# Altium PCB AL1000.PcbDoc (part 7 of 8) (continued)
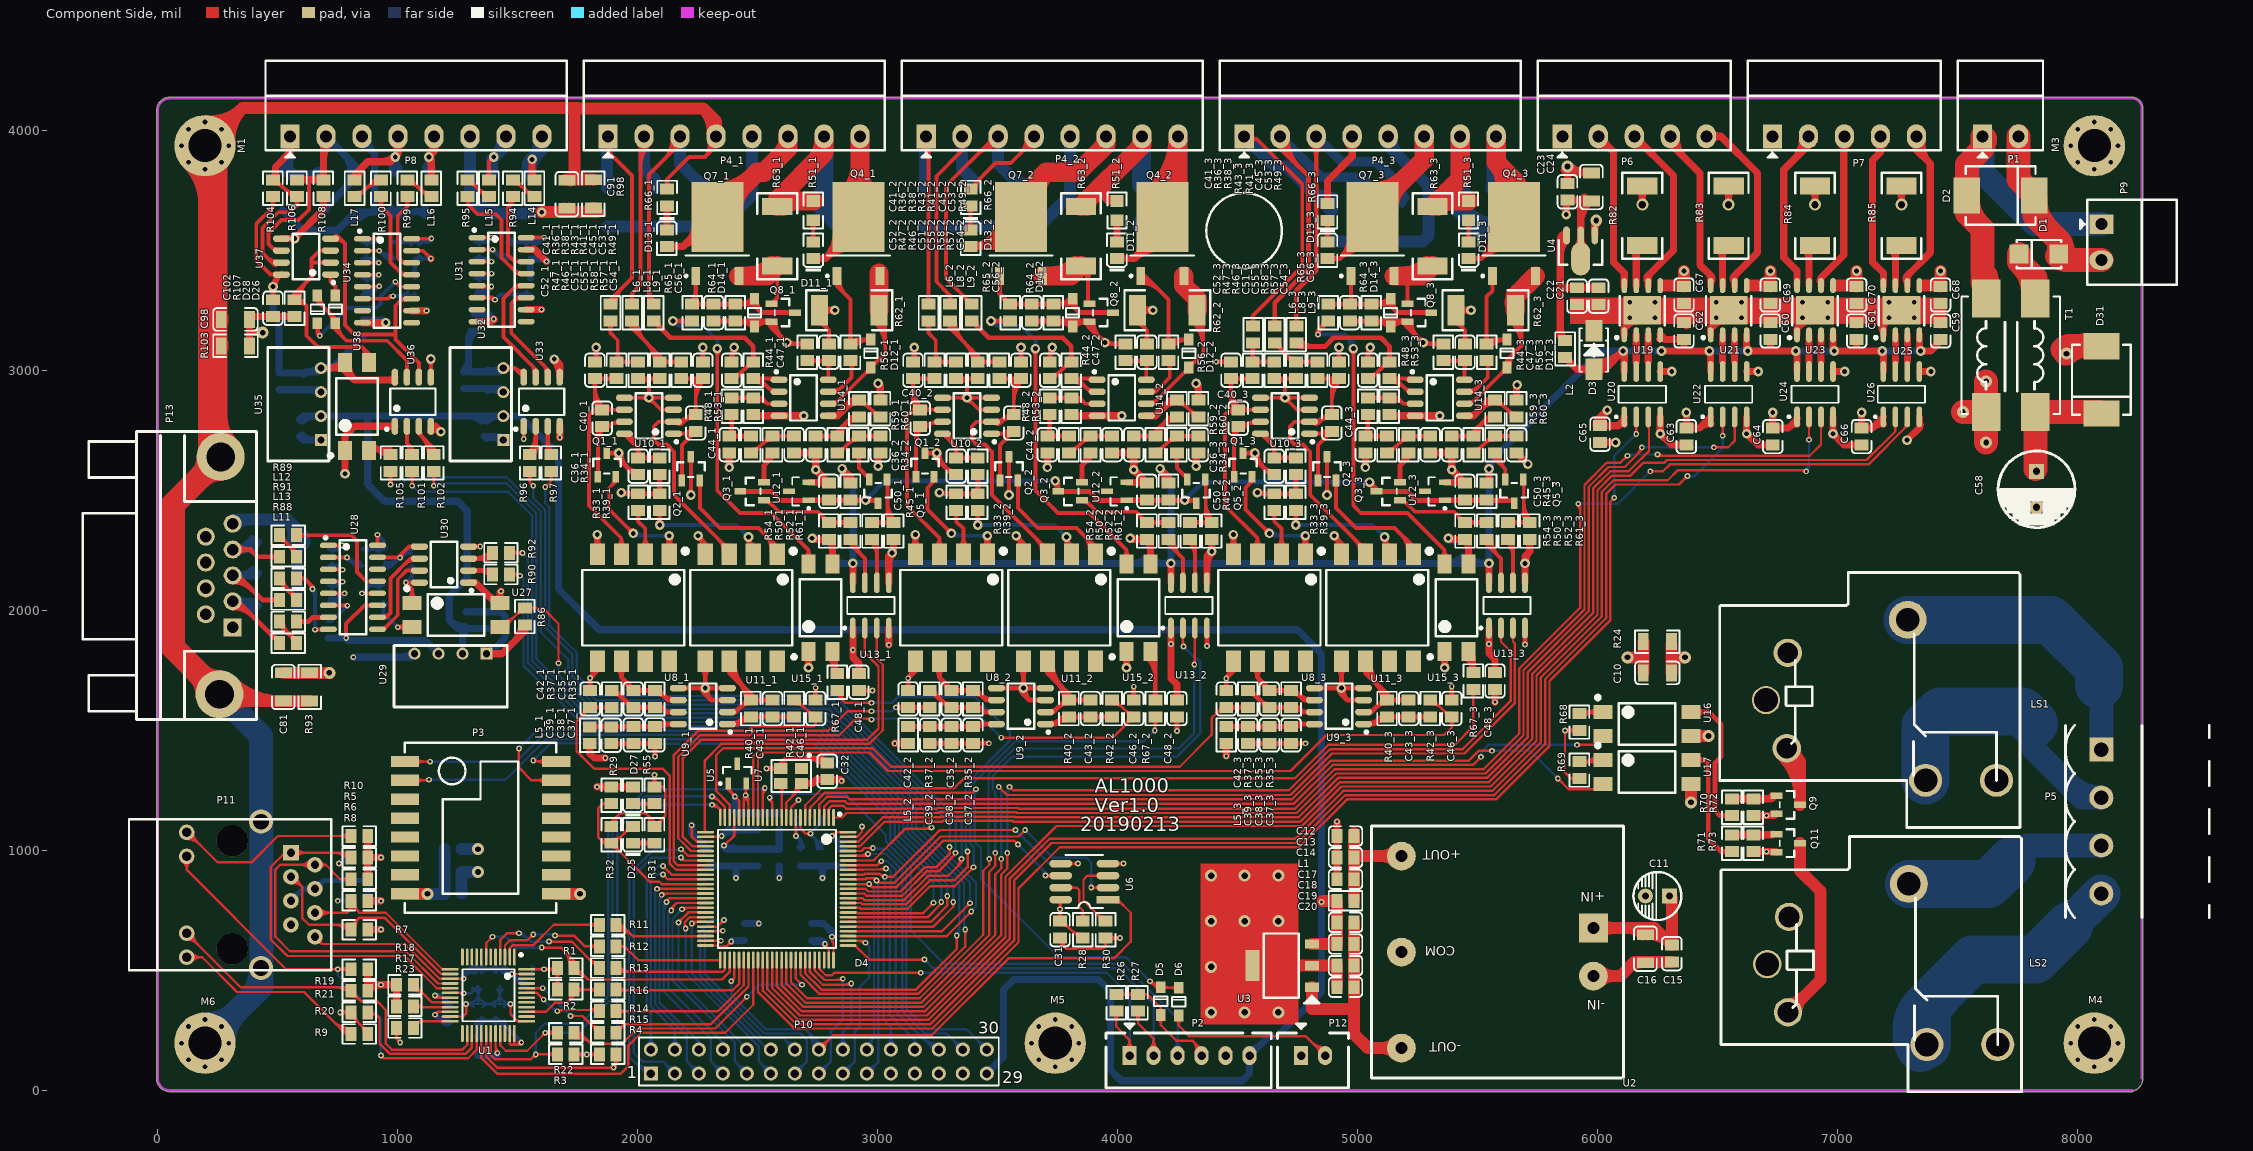
[diagram p0: Component Side view]
## Nets (pads, with @x,y where several pads share a name; then routed paths per layer and width w, separated by ;. In a path a pad name is that pad's centre, name@x,y a point inside that pad or via, vN(x,y) a via of type N, cw(c..) or ccw(c..) an arc to the next point about the centre after c; other vN are vias at no path point) (continued)
  Component Side w10: R17.1@1065.04,350 1067.91,347.13 U1.21@1218.54,347.13 ; R17.1@1070.58,355.54 ccw(c1090.89,375.85) 1090.89,347.13 ; R17.1@1077.65,337.39 cw(c1101.16,313.88) 1101.16,347.13 ; R17.1@1077.65,362.61 ccw(c1115.03,399.99) 1115.03,347.13
NetR18_1: R18.1 U1.20 | length 287.3
  Component Side w10: R18.1@1065.04,416.06 cw(c1065.04,346.3) 1114.37,395.63 ; R18.1@1065.04,426.06 cw(c1065.04,380.44) 1097.3,412.7 ; R18.1@1065.04,440 1070,440 1143.19,366.81 U1.20@1218.54,366.81 ; R18.1@1082.87,433.9 ccw(c1099.22,433.9) R18.1@1087.66,422.34
NetR20_1: R20.1 U1.27 | length 678.9
  Component Side w10: R20.1@875.04,325 882.77,317.27 907.73,317.27 ; R20.1@889.24,308.1 cw(c907.73,294.04) 907.73,317.27 ; R20.1@890.72,327.4 ccw(c907.73,336.62) 907.73,317.27 ; U1.27@1309.09,236.89 1309.09,178.64 1282.46,152 967.54,152 924,195.54 924,301 907.73,317.27
NetR23_2: R23.2 U1.24 | length 211.4
  Component Side w10: R23.2@1065.04,260 1093.11,288.07 ; R23.2@1070.87,282.96 ccw(c1077.91,303.27) 1093.11,288.07 ; R23.2@1082.87,266.1 cw(c1111.2,266.1) 1091.17,286.13 ; U1.24@1218.54,288.07 1093.11,288.07
NetR28_1: R28.1 U6.7 | length 325.6
  Component Side w10: U6.7@3763.15,845 3830,845 3840,835 3840,765 3855,750 R28.1@3855,705 ; U6.7@3802.25,837.4 cw(c3820.59,819.05) 3820.59,845 cw(c3820.59,870.95) U6.7@3802.25,852.6 ; R28.1@3842.39,717.61 ccw(c3811.94,748.06) 3855,748.06 ccw(c3898.06,748.06) R28.1@3867.61,717.61
NetR30_1: R30.1 U6.3 | length 431.5
  Component Side w10: 3912.67,737.33 cw(c3880.34,705) R30.1@3926.06,705 ; 3915.33,734.67 ccw(c3943.9,763.23) R30.1@3943.9,722.83 ; U6.3@3920.9,887.4 ccw(c3902.56,869.05) 3902.56,895 ccw(c3902.56,920.95) U6.3@3920.9,902.6 ; R30.1@3950,705 3945,705 3858,792 3858,878 3875,895 U6.3@3960,895
NetR33_1_2: R33_1.2 U8_1.2 | length 340.3
  Component Side w16: R33_1.2@1991.28,2405.89 cw(c1965.96,2380.56) 2001.77,2380.56 cw(c2037.59,2380.56) R33_1.2@2012.26,2405.89 ; R33_1.2@2001.77,2416.38 2001.77,2371.42 2031.77,2341.42 U8_1.2@2031.77,2233.86 ; U8_1.2@2015.16,2264.25 ccw(c1975.05,2304.36) 2031.77,2304.36 ccw(c2088.5,2304.36) U8_1.2@2048.39,2264.25
NetR33_2_2: R33_2.2 U8_2.2 | length 340.3
  Component Side w16: R33_2.2@3316.87,2405.89 cw(c3291.55,2380.56) 3327.36,2380.56 cw(c3363.18,2380.56) R33_2.2@3337.85,2405.89 ; R33_2.2@3327.36,2416.38 3327.36,2371.42 3357.36,2341.42 U8_2.2@3357.36,2233.86 ; U8_2.2@3340.75,2264.25 ccw(c3300.64,2304.36) 3357.36,2304.36 ccw(c3414.09,2304.36) U8_2.2@3373.98,2264.25
NetR33_3_2: R33_3.2 U8_3.2 | length 340.3
  Component Side w16: R33_3.2@4642.46,2405.89 cw(c4617.14,2380.56) 4652.95,2380.56 cw(c4688.77,2380.56) R33_3.2@4663.44,2405.89 ; R33_3.2@4652.95,2416.38 4652.95,2371.42 4682.95,2341.42 U8_3.2@4682.95,2233.86 ; U8_3.2@4666.34,2264.25 ccw(c4626.23,2304.36) 4682.95,2304.36 ccw(c4739.68,2304.36) U8_3.2@4699.57,2264.25
NetR39_1_2: R39_1.2 U11_1.2 | length 858.1
  Component Side w16: R39_1.2@2081.28,2405.89 cw(c2055.96,2380.56) 2091.77,2380.56 cw(c2127.59,2380.56) R39_1.2@2102.26,2405.89 ; v2@2083.29,2364.86 ccw(c2062.8,2385.35) 2091.77,2385.35 ccw(c2120.74,2385.35) v2@2100.26,2364.86 ; v2(2091.77,2356.38) R39_1.2@2091.77,2416.38 ; v2@2453.29,2297.89 cw(c2432.8,2277.41) 2461.77,2277.41 cw(c2490.74,2277.41) v2@2470.26,2297.89 ; 2461.77,2284.77 ccw(c2493.1,2284.77) U11_1.2@2483.96,2254.81 ; U11_1.2@2481.77,2233.86 2461.77,2253.86 v2(2461.77,2306.38) ccw(c2499.69,2306.38) U11_1.2@2488.63,2270.11
  Solder Side w16: v2(2091.77,2356.38) 2411.77,2356.38 v2(2461.77,2306.38) ; v2@2100.26,2347.89 cw(c2120.74,2327.41) 2120.74,2356.38 cw(c2120.74,2385.35) v2@2100.26,2364.86 ; v2@2449.77,2306.38 ccw(c2420.8,2306.38) 2441.29,2326.86 ccw(c2461.77,2347.35) v2@2461.77,2318.38
NetR39_2_2: R39_2.2 U11_2.2 | length 858.1
  Component Side w16: R39_2.2@3406.87,2405.89 cw(c3381.55,2380.56) 3417.36,2380.56 cw(c3453.18,2380.56) R39_2.2@3427.85,2405.89 ; v2@3408.88,2364.86 ccw(c3388.39,2385.35) 3417.36,2385.35 ccw(c3446.33,2385.35) v2@3425.85,2364.86 ; v2(3417.36,2356.38) R39_2.2@3417.36,2416.38 ; v2@3778.88,2297.89 cw(c3758.39,2277.41) 3787.36,2277.41 cw(c3816.33,2277.41) v2@3795.85,2297.89 ; 3787.36,2284.77 ccw(c3818.69,2284.77) U11_2.2@3809.55,2254.81 ; U11_2.2@3807.36,2233.86 3787.36,2253.86 v2(3787.36,2306.38) ccw(c3825.28,2306.38) U11_2.2@3814.22,2270.11
  Solder Side w16: v2(3417.36,2356.38) 3737.36,2356.38 v2(3787.36,2306.38) ; v2@3425.85,2347.89 cw(c3446.33,2327.41) 3446.33,2356.38 cw(c3446.33,2385.35) v2@3425.85,2364.86 ; v2@3775.36,2306.38 ccw(c3746.39,2306.38) 3766.88,2326.86 ccw(c3787.36,2347.35) v2@3787.36,2318.38
NetR39_3_2: R39_3.2 U11_3.2 | length 858.1
  Component Side w16: R39_3.2@4732.46,2405.89 cw(c4707.14,2380.56) 4742.95,2380.56 cw(c4778.77,2380.56) R39_3.2@4753.44,2405.89 ; v2@4734.47,2364.86 ccw(c4713.98,2385.35) 4742.95,2385.35 ccw(c4771.92,2385.35) v2@4751.44,2364.86 ; v2(4742.95,2356.38) R39_3.2@4742.95,2416.38 ; v2@5104.47,2297.89 cw(c5083.98,2277.41) 5112.95,2277.41 cw(c5141.92,2277.41) v2@5121.44,2297.89 ; 5112.95,2284.77 ccw(c5144.28,2284.77) U11_3.2@5135.14,2254.81 ; U11_3.2@5132.95,2233.86 5112.95,2253.86 v2(5112.95,2306.38) ccw(c5150.87,2306.38) U11_3.2@5139.81,2270.11
  Solder Side w16: v2(4742.95,2356.38) 5062.95,2356.38 v2(5112.95,2306.38) ; v2@4751.44,2347.89 cw(c4771.92,2327.41) 4771.92,2356.38 cw(c4771.92,2385.35) v2@4751.44,2364.86 ; v2@5100.95,2306.38 ccw(c5071.98,2306.38) 5092.47,2326.86 ccw(c5112.95,2347.35) v2@5112.95,2318.38
NetR48_1_1: R48_1.1 R53_1.1 U14_1.3 | length 473.8
  Component Side w16: R48_1.1@2391.77,2886.46 R53_1.1@2481.77,2886.46 2516.69,2886.46 ; R48_1.1@2408.36,2875.97 cw(c2433.69,2850.64) 2433.69,2886.46 cw(c2433.69,2922.27) R48_1.1@2408.36,2896.95 ; R53_1.1@2465.18,2875.97 ccw(c2439.86,2850.64) 2439.86,2886.46 ccw(c2439.86,2922.27) R53_1.1@2465.18,2896.95 ; R53_1.1@2487.49,2887.56 cw(c2499.13,2854.62) 2523.83,2879.32 ; R53_1.1@2492.82,2872.47 cw(c2508.5,2828.11) 2541.77,2861.38 ; R53_1.1@2499.95,2877.84 cw(c2516.69,2865.88) 2516.69,2886.46 ; R53_1.1@2499.95,2895.08 ccw(c2516.69,2907.03) 2516.69,2886.46 ; U14_1.3@2563.67,2857.29 ccw(c2553.8,2847.43) 2553.8,2861.38 ccw(c2553.8,2875.33) U14_1.3@2563.67,2865.46 ; U14_1.3@2589.41,2861.38 2541.77,2861.38 ; 2516.69,2886.46 2541.77,2861.38
NetR48_2_1: R48_2.1 R53_2.1 U14_2.3 | length 473.8
  Component Side w16: R48_2.1@3717.36,2886.46 R53_2.1@3807.36,2886.46 3842.28,2886.46 ; R48_2.1@3733.95,2875.97 cw(c3759.28,2850.64) 3759.28,2886.46 cw(c3759.28,2922.27) R48_2.1@3733.95,2896.95 ; R53_2.1@3790.77,2875.97 ccw(c3765.45,2850.64) 3765.45,2886.46 ccw(c3765.45,2922.27) R53_2.1@3790.77,2896.95 ; R53_2.1@3813.08,2887.56 cw(c3824.72,2854.62) 3849.42,2879.32 ; R53_2.1@3818.41,2872.47 cw(c3834.09,2828.11) 3867.36,2861.38 ; R53_2.1@3825.54,2877.84 cw(c3842.28,2865.88) 3842.28,2886.46 ; R53_2.1@3825.54,2895.08 ccw(c3842.28,2907.03) 3842.28,2886.46 ; U14_2.3@3889.26,2857.29 ccw(c3879.39,2847.43) 3879.39,2861.38 ccw(c3879.39,2875.33) U14_2.3@3889.26,2865.46 ; U14_2.3@3915,2861.38 3867.36,2861.38 ; 3842.28,2886.46 3867.36,2861.38
NetR48_3_1: R48_3.1 R53_3.1 U14_3.3 | length 473.8
  Component Side w16: R48_3.1@5042.95,2886.46 R53_3.1@5132.95,2886.46 5167.87,2886.46 ; R48_3.1@5059.54,2875.97 cw(c5084.87,2850.64) 5084.87,2886.46 cw(c5084.87,2922.27) R48_3.1@5059.54,2896.95 ; R53_3.1@5116.36,2875.97 ccw(c5091.04,2850.64) 5091.04,2886.46 ccw(c5091.04,2922.27) R53_3.1@5116.36,2896.95 ; R53_3.1@5138.67,2887.56 cw(c5150.31,2854.62) 5175.01,2879.32 ; R53_3.1@5144,2872.47 cw(c5159.68,2828.11) 5192.95,2861.38 ; R53_3.1@5151.13,2877.84 cw(c5167.87,2865.88) 5167.87,2886.46 ; R53_3.1@5151.13,2895.08 ccw(c5167.87,2907.03) 5167.87,2886.46 ; U14_3.3@5214.85,2857.29 ccw(c5204.98,2847.43) 5204.98,2861.38 ccw(c5204.98,2875.33) U14_3.3@5214.85,2865.46 ; U14_3.3@5240.59,2861.38 5192.95,2861.38 ; 5167.87,2886.46 5192.95,2861.38
NetR49_1_2: R49_1.2 U14_1.1 U14_1.2 | length 415.7
  Component Side w16: R49_1.2@2481.77,2966.34 R49_1.2@2486.77,2966.34 ; R49_1.2@2481.77,2971.34 R49_1.2@2486.77,2966.34 ; R49_1.2@2487.87,2951.5 cw(c2487.87,2869.97) 2545.53,2927.62 ; R49_1.2@2487.87,2967.5 cw(c2487.87,2924.6) 2518.21,2954.94 ; R49_1.2@2498.36,2955.85 cw(c2523.69,2930.52) 2523.69,2966.34 cw(c2523.69,3002.15) R49_1.2@2498.36,2976.83 ; 2511.77,2961.38 2561.77,2911.38 U14_1.2@2589.41,2911.38 ; 2541.83,2966.34 cw(c2541.83,2935.45) U14_1.1@2563.67,2957.29 ; 2547.67,2925.48 ccw(c2567.76,2945.56) U14_1.2@2567.76,2917.16 ; U14_1.1@2589.41,2961.38 2584.45,2966.34 R49_1.2@2486.77,2966.34
NetR49_2_2: R49_2.2 U14_2.1 U14_2.2 | length 415.7
  Component Side w16: R49_2.2@3807.36,2966.34 R49_2.2@3812.36,2966.34 ; R49_2.2@3807.36,2971.34 R49_2.2@3812.36,2966.34 ; R49_2.2@3813.46,2951.5 cw(c3813.46,2869.97) 3871.12,2927.62 ; R49_2.2@3813.46,2967.5 cw(c3813.46,2924.6) 3843.8,2954.94 ; R49_2.2@3823.95,2955.85 cw(c3849.28,2930.52) 3849.28,2966.34 cw(c3849.28,3002.15) R49_2.2@3823.95,2976.83 ; 3837.36,2961.38 3887.36,2911.38 U14_2.2@3915,2911.38 ; 3867.42,2966.34 cw(c3867.42,2935.45) U14_2.1@3889.26,2957.29 ; 3873.26,2925.48 ccw(c3893.35,2945.56) U14_2.2@3893.35,2917.16 ; U14_2.1@3915,2961.38 3910.04,2966.34 R49_2.2@3812.36,2966.34
NetR49_3_2: R49_3.2 U14_3.1 U14_3.2 | length 415.7
  Component Side w16: R49_3.2@5132.95,2966.34 R49_3.2@5137.95,2966.34 ; R49_3.2@5132.95,2971.34 R49_3.2@5137.95,2966.34 ; R49_3.2@5139.06,2951.5 cw(c5139.06,2869.97) 5196.71,2927.62 ; R49_3.2@5139.06,2967.5 cw(c5139.06,2924.6) 5169.39,2954.94 ; R49_3.2@5149.54,2955.85 cw(c5174.87,2930.52) 5174.87,2966.34 cw(c5174.87,3002.15) R49_3.2@5149.54,2976.83 ; 5162.95,2961.38 5212.95,2911.38 U14_3.2@5240.59,2911.38 ; 5193.01,2966.34 cw(c5193.01,2935.45) U14_3.1@5214.85,2957.29 ; 5198.86,2925.48 ccw(c5218.94,2945.56) U14_3.2@5218.94,2917.16 ; U14_3.1@5240.59,2961.38 5235.63,2966.34 R49_3.2@5137.95,2966.34
NetR50_1_1: R50_1.1 U13_1.7 | length 330
  Component Side w16: R50_1.1@2886.77,2296.34 2886.77,2276.38 2946.77,2216.38 U13_1.7@2946.77,2115.91 ; R50_1.1@2891.71,2296.34 ccw(c2951.82,2296.34) 2909.31,2253.84 ; R50_1.1@2907.71,2296.34 ccw(c3006.44,2296.34) 2936.63,2226.52
NetR50_2_1: R50_2.1 U13_2.7 | length 330
  Component Side w16: R50_2.1@4212.36,2296.34 4212.36,2276.38 4272.36,2216.38 U13_2.7@4272.36,2115.91 ; R50_2.1@4217.3,2296.34 ccw(c4277.41,2296.34) 4234.9,2253.84 ; R50_2.1@4233.3,2296.34 ccw(c4332.03,2296.34) 4262.22,2226.52
NetR50_3_1: R50_3.1 U13_3.7 | length 330
  Component Side w16: R50_3.1@5537.95,2296.34 5537.95,2276.38 5597.95,2216.38 U13_3.7@5597.95,2115.91 ; R50_3.1@5542.89,2296.34 ccw(c5603,2296.34) 5560.5,2253.84 ; R50_3.1@5558.89,2296.34 ccw(c5657.63,2296.34) 5587.81,2226.52
NetR52_1_1: R52_1.1 U13_1.6 | length 289.2
  Component Side w16: R52_1.1@2972.38,2285.85 cw(c2913.51,2226.97) 2996.77,2226.97 ; R52_1.1@2976.77,2296.34 2996.77,2276.34 U13_1.6@2996.77,2115.91 ; R52_1.1@2983.7,2297.16 cw(c2952.14,2265.6) 2996.77,2265.6
NetR52_2_1: R52_2.1 U13_2.6 | length 289.2
  Component Side w16: R52_2.1@4297.98,2285.85 cw(c4239.1,2226.97) 4322.36,2226.97 ; R52_2.1@4302.36,2296.34 4322.36,2276.34 U13_2.6@4322.36,2115.91 ; R52_2.1@4309.29,2297.16 cw(c4277.73,2265.6) 4322.36,2265.6
NetR52_3_1: R52_3.1 U13_3.6 | length 289.2
  Component Side w16: R52_3.1@5623.57,2285.85 cw(c5564.69,2226.97) 5647.95,2226.97 ; R52_3.1@5627.95,2296.34 5647.95,2276.34 U13_3.6@5647.95,2115.91 ; R52_3.1@5634.88,2297.16 cw(c5603.32,2265.6) 5647.95,2265.6
NetR56_1_2: R56_1.2 U14_1.7 | length 296.9
  Component Side w16: U14_1.7@2794.13,2911.38 2831.77,2911.38 2891.77,2971.38 R56_1.2@2891.77,3026.34 ; U14_1.7@2815.79,2917.16 ccw(c2815.79,2969.7) 2852.94,2932.55 ; U14_1.7@2819.87,2907.29 cw(c2829.74,2897.43) 2829.74,2911.38 cw(c2829.74,2925.33) U14_1.7@2819.87,2915.46 ; R56_1.2@2882.38,3030.85 cw(c2859.72,3008.19) 2891.77,3008.19 ; 2891.77,3002.86 cw(c2931.35,3002.86) R56_1.2@2903.36,3030.85
NetR56_2_2: R56_2.2 U14_2.7 | length 296.9
  Component Side w16: U14_2.7@4119.72,2911.38 4157.36,2911.38 4217.36,2971.38 R56_2.2@4217.36,3026.34 ; U14_2.7@4141.38,2917.16 ccw(c4141.38,2969.7) 4178.53,2932.55 ; U14_2.7@4145.46,2907.29 cw(c4155.33,2897.43) 4155.33,2911.38 cw(c4155.33,2925.33) U14_2.7@4145.46,2915.46 ; R56_2.2@4207.98,3030.85 cw(c4185.31,3008.19) 4217.36,3008.19 ; 4217.36,3002.86 cw(c4256.94,3002.86) R56_2.2@4228.95,3030.85
NetR56_3_2: R56_3.2 U14_3.7 | length 296.9
  Component Side w16: U14_3.7@5445.32,2911.38 5482.95,2911.38 5542.95,2971.38 R56_3.2@5542.95,3026.34 ; U14_3.7@5466.97,2917.16 ccw(c5466.97,2969.7) 5504.12,2932.55 ; U14_3.7@5471.06,2907.29 cw(c5480.92,2897.43) 5480.92,2911.38 cw(c5480.92,2925.33) U14_3.7@5471.06,2915.46 ; R56_3.2@5533.57,3030.85 cw(c5510.9,3008.19) 5542.95,3008.19 ; 5542.95,3002.86 cw(c5582.53,3002.86) R56_3.2@5554.54,3030.85
NetR59_1_1: R59_1.1 R60_1.1 U14_1.5 | length 464.7
  Component Side w16: R59_1.1@2921.77,2866.42 R59_1.1@2934.54,2866.42 ; R59_1.1@2927.87,2861.58 cw(c2927.87,2809.67) 2964.58,2846.38 ; R59_1.1@2934.54,2876.42 R60_1.1@3004.62,2806.34 ; R59_1.1@2942.71,2876.42 ccw(c2962.42,2876.42) R59_1.1@2948.48,2862.48 ; 2978.56,2832.4 ccw(c3005.67,2859.51) R60_1.1@3005.67,2821.17 ; 2981.08,2829.88 cw(c2957.55,2806.34) R60_1.1@2990.83,2806.34 ; R60_1.1@3004.62,2796.34 R60_1.1@3011.77,2796.34
  Component Side w30: U14_1.5@2794.13,2811.38 2831.77,2811.38 2896.81,2876.42 R59_1.1@2921.77,2876.42 ; U14_1.5@2815.79,2810.16 ccw(c2815.79,2845.8) 2840.99,2820.6 ; 2870.1,2849.71 cw(c2915.67,2804.14) R59_1.1@2915.67,2868.58
NetR59_2_1: R59_2.1 R60_2.1 U14_2.5 | length 464.7
  Component Side w16: R59_2.1@4247.36,2866.42 R59_2.1@4260.13,2866.42 ; R59_2.1@4253.46,2861.58 cw(c4253.46,2809.67) 4290.18,2846.38 ; R59_2.1@4260.13,2876.42 R60_2.1@4330.21,2806.34 ; R59_2.1@4268.3,2876.42 ccw(c4288.01,2876.42) R59_2.1@4274.07,2862.48 ; 4304.15,2832.4 ccw(c4331.26,2859.51) R60_2.1@4331.26,2821.17 ; 4306.68,2829.88 cw(c4283.14,2806.34) R60_2.1@4316.43,2806.34 ; R60_2.1@4330.21,2796.34 R60_2.1@4337.36,2796.34
  Component Side w30: U14_2.5@4119.72,2811.38 4157.36,2811.38 4222.4,2876.42 R59_2.1@4247.36,2876.42 ; U14_2.5@4141.38,2810.16 ccw(c4141.38,2845.8) 4166.58,2820.6 ; 4195.69,2849.71 cw(c4241.26,2804.14) R59_2.1@4241.26,2868.58
NetR59_3_1: R59_3.1 R60_3.1 U14_3.5 | length 464.7
  Component Side w16: R59_3.1@5572.95,2866.42 R59_3.1@5585.73,2866.42 ; R59_3.1@5579.06,2861.58 cw(c5579.06,2809.67) 5615.77,2846.38 ; R59_3.1@5585.73,2876.42 R60_3.1@5655.8,2806.34 ; R59_3.1@5593.89,2876.42 ccw(c5613.6,2876.42) R59_3.1@5599.66,2862.48 ; 5629.74,2832.4 ccw(c5656.85,2859.51) R60_3.1@5656.85,2821.17 ; 5632.27,2829.88 cw(c5608.73,2806.34) R60_3.1@5642.02,2806.34 ; R60_3.1@5655.8,2796.34 R60_3.1@5662.95,2796.34
  Component Side w30: U14_3.5@5445.32,2811.38 5482.95,2811.38 5547.99,2876.42 R59_3.1@5572.95,2876.42 ; U14_3.5@5466.97,2810.16 ccw(c5466.97,2845.8) 5492.17,2820.6 ; 5521.28,2849.71 cw(c5566.85,2804.14) R59_3.1@5566.85,2868.58
NetR65_1_2: R65_1.2 U15_1.4 | length 1711.4
  Component Side w16: v2@2323.29,3082.89 cw(c2302.8,3062.41) 2331.77,3062.41 cw(c2360.74,3062.41) v2@2340.26,3082.89 ; v2(2331.77,3091.38) 2331.77,2500.45 2425.84,2406.38 2556.77,2406.38 2711.77,2251.38 ; U15_1.4@2697.7,2220.62 ccw(c2671.13,2251.38) 2711.77,2251.38 ; U15_1.4@2711.77,2194.49 2711.77,2251.38 ; U15_1.4@2725.84,2220.62 cw(c2752.41,2251.38) 2711.77,2251.38
  Component Side w20: v2(2146.81,3206.34) R65_1.2@2226.77,3206.34 ; v2@2153.88,3199.27 cw(c2170.95,3182.2) 2170.95,3206.34 cw(c2170.95,3230.48) v2@2153.88,3213.41 ; R65_1.2@2211.59,3197.26 ccw(c2189.68,3175.35) 2189.68,3206.34 ccw(c2189.68,3237.32) R65_1.2@2211.59,3215.41
  Solder Side w16: v2(2146.81,3206.34) 2166.73,3186.42 2271.73,3186.42 2331.77,3126.38 v2(2331.77,3091.38) ; v2@2323.29,3099.86 ccw(c2302.8,3120.35) 2331.77,3120.35 ccw(c2360.74,3120.35) v2@2340.26,3099.86
NetR65_2_2: R65_2.2 U15_2.4 | length 1711.4
  Component Side w16: v2@3648.88,3082.89 cw(c3628.39,3062.41) 3657.36,3062.41 cw(c3686.33,3062.41) v2@3665.85,3082.89 ; v2(3657.36,3091.38) 3657.36,2500.45 3751.43,2406.38 3882.36,2406.38 4037.36,2251.38 ; U15_2.4@4023.29,2220.62 ccw(c3996.72,2251.38) 4037.36,2251.38 ; U15_2.4@4037.36,2194.49 4037.36,2251.38 ; U15_2.4@4051.44,2220.62 cw(c4078,2251.38) 4037.36,2251.38
  Component Side w20: v2(3472.4,3206.34) R65_2.2@3552.36,3206.34 ; v2@3479.47,3199.27 cw(c3496.54,3182.2) 3496.54,3206.34 cw(c3496.54,3230.48) v2@3479.47,3213.41 ; R65_2.2@3537.18,3197.26 ccw(c3515.27,3175.35) 3515.27,3206.34 ccw(c3515.27,3237.32) R65_2.2@3537.18,3215.41
  Solder Side w16: v2(3472.4,3206.34) 3492.32,3186.42 3597.32,3186.42 3657.36,3126.38 v2(3657.36,3091.38) ; v2@3648.88,3099.86 ccw(c3628.39,3120.35) 3657.36,3120.35 ccw(c3686.33,3120.35) v2@3665.85,3099.86
NetR65_3_2: R65_3.2 U15_3.4 | length 1741.6
  Component Side w16: v2@4974.47,3082.89 cw(c4953.98,3062.41) 4982.95,3062.41 cw(c5011.92,3062.41) v2@4991.44,3082.89 ; v2(4982.95,3091.38) 4982.95,2437.05 5013.62,2406.38 5207.95,2406.38 5362.95,2251.38 ; U15_3.4@5348.88,2220.62 ccw(c5322.31,2251.38) 5362.95,2251.38 ; U15_3.4@5362.95,2194.49 5362.95,2251.38 ; U15_3.4@5377.03,2220.62 cw(c5403.59,2251.38) 5362.95,2251.38
  Component Side w20: v1(4835,3150) 4835,3163.39 R65_3.2@4877.95,3206.34 ; v1@4837,3150 cw(c4874.14,3150) 4847.88,3176.27 ; 4845.63,3174.01 ccw(c4813.3,3206.34) R65_3.2@4859.02,3206.34
  Solder Side w16: v1(4835,3150) 4947.95,3150 ; v2@4970.96,3091.77 ccw(c4892.31,3094.36) 4947.96,3150 ; 4974.05,3123.91 cw(c4942.84,3092.7) v2@4986.95,3091.25 ; v2@4975.88,3101.07 ccw(c4965.7,3115) 4982.95,3115 ; v2(4982.95,3091.38) 4982.95,3115 ; v2@4990.03,3101.07 cw(c5000.2,3115) 4982.95,3115 ; 4947.95,3150 4982.95,3115
NetR67_1_2: R67_1.2 U15_1.2 | length 179.8
  Component Side w30: U15_1.2@2801.5,1808.23 cw(c2756.69,1763.42) 2820.06,1763.42 ; U15_1.2@2811.77,1828.35 2820.06,1820.06 2820.06,1748.17 R67_1.2@2831.77,1736.46 ; 2820.06,1768.92 ccw(c2858.13,1768.92) R67_1.2@2831.21,1742
NetR67_2_2: R67_2.2 U15_2.2 | length 402.2
  Component Side w20: U15_2.2@4123.55,1804.7 cw(c4041.93,1723.08) 4157.36,1723.08 ; U15_2.2@4137.36,1828.35 4157.36,1808.35 R67_2.2@4157.36,1626.46 ; U15_2.2@4137.7,1818.84 cw(c4090.22,1771.36) 4157.36,1771.36 ; R67_2.2@4148.29,1635.53 ccw(c4126.38,1657.44) 4157.36,1657.44 ccw(c4188.35,1657.44) R67_2.2@4166.44,1635.53
NetR67_3_2: R67_3.2 U15_3.2 | length 285
  Component Side w20: U15_3.2@5451.15,1802.95 cw(c5402.58,1738.91) R67_3.2@5482.95,1738.91 ; U15_3.2@5462.95,1828.35 5482.95,1808.35 R67_3.2@5482.95,1741.46 ; U15_3.2@5463.24,1818.88 cw(c5433.13,1779.18) 5482.95,1779.18 ; R67_3.2@5468.56,1751.25 ccw(c5456.5,1765.51) 5474.53,1770.34 ; R67_3.2@5473.88,1750.53 ccw(c5451.97,1772.44) 5482.95,1772.44 ccw(c5513.94,1772.44) R67_3.2@5492.03,1750.53
NetR68_1: R68.1 U16.1 | length 229.6
  Component Side w16: R68.1@5925,1570.04 5931.97,1577.01 U16.1@6023.27,1577.01 ; R68.1@5941.59,1559.55 cw(c5983.74,1517.4) 5983.74,1577.01 ; U16.1@5998.2,1561.79 ccw(c5961.45,1525.04) 5961.45,1577.01 ccw(c5961.45,1628.98) U16.1@5998.2,1592.23
NetR69_1: R69.1 U17.1 | length 268.2
  Component Side w16: R69.1@5925,1370.04 6016.3,1370.04 U17.1@6023.27,1377.01 ; R69.1@5941.59,1359.55 cw(c5966.92,1334.23) 5966.92,1370.04 cw(c5966.92,1405.85) R69.1@5941.59,1380.53 ; R69.1@5944.63,1370.04 ccw(c5944.63,1445.8) U17.1@5998.2,1392.23 ; 5978.28,1370.04 cw(c5978.28,1341.86) U17.1@5998.2,1361.79 ; 5983.26,1370.04 ccw(c5983.26,1407.18) U17.1@6009.52,1380.92
NetR70_1: R70.1 U16.4 | length 718.5
  Component Side w20: U16.4@6389.41,1577.01 6462.99,1577.01 6515,1525 6515,1390 6490,1365 6490,1165 6510.04,1144.96 R70.1@6560,1144.96 ; U16.4@6413.06,1563.2 cw(c6446.4,1529.86) 6446.4,1577.01 cw(c6446.4,1624.15) U16.4@6413.06,1590.82 ; R70.1@6544.82,1135.89 ccw(c6522.91,1113.98) 6522.91,1144.96 ccw(c6522.91,1175.95) R70.1@6544.82,1154.04
NetR71_1: R71.1 U17.4 | length 636.1
  Component Side w20: U17.4@6389.41,1377.01 6447.99,1377.01 6462,1363 6462,1047.96 6515,994.96 R71.1@6560,994.96 ; U17.4@6413.06,1363.2 cw(c6446.4,1329.86) 6446.4,1377.01 cw(c6446.4,1424.15) U17.4@6413.06,1390.82 ; R71.1@6544.82,985.89 ccw(c6522.91,963.98) 6522.91,994.96 ccw(c6522.91,1025.95) R71.1@6544.82,1004.04
NetR82_1: R82.1 U19.7 | length 255.5
  Component Side w30: R82.1@6144.76,3506.93 cw(c6103.71,3465.87) 6161.77,3465.87 ; U19.7@6161.77,3353.74 6161.77,3496.38 R82.1@6186.77,3521.38 ; 6161.77,3478.23 cw(c6202.36,3478.23) R82.1@6173.66,3506.93
NetR83_1: R83.1 U21.7 | length 255.5
  Component Side w30: R83.1@6504.76,3506.93 cw(c6463.71,3465.87) 6521.77,3465.87 ; U21.7@6521.77,3353.74 6521.77,3496.38 R83.1@6546.77,3521.38 ; 6521.77,3478.23 cw(c6562.36,3478.23) R83.1@6533.66,3506.93
NetR84_1: R84.1 U23.7 | length 255.5
  Component Side w30: R84.1@6864.76,3506.93 cw(c6823.71,3465.87) 6881.77,3465.87 ; U23.7@6881.77,3353.74 6881.77,3496.38 R84.1@6906.77,3521.38 ; 6881.77,3478.23 cw(c6922.36,3478.23) R84.1@6893.66,3506.93
NetR85_1: R85.1 U25.7 | length 259.6
  Component Side w30: R85.1@7224.76,3506.93 cw(c7183.71,3465.87) 7241.77,3465.87 ; U25.7@7241.77,3353.74 7241.77,3486.38 7236.77,3491.38 R85.1@7266.77,3521.38 ; 7241.77,3478.23 cw(c7282.36,3478.23) R85.1@7253.66,3506.93
NetR87_1: R87.1 U27.2 | length 343.6
  Component Side w16: v1(1000,1930) v1@1001.34,1931.34 ; v1@1002,1926.54 cw(c1009.63,1913.32) 1013.58,1928.06 ; v1@1002.83,1927.17 cw(c1012.89,1917.11) 1012.89,1931.34 ; U27.2@1034.17,1916.84 ccw(c1001.34,1886.93) v1@1001.34,1931.34 ; U27.2@1034.17,1945.84 cw(c1001.34,1975.75) v1@1001.34,1931.34 ; U27.2@1059.92,1931.34 v1@1001.34,1931.34
  Solder Side w16: R87.1@929.51,2024.47 cw(c904.19,1999.15) 940,1999.15 cw(c975.81,1999.15) R87.1@950.49,2024.47 ; R87.1@940,2034.96 940,1990 v1(1000,1930)
NetR87_2: R87.2 U28.12 | length 223.1
  Component Side w16: v1(851.34,2071.34) U28.12@915.51,2071.34
  Solder Side w16: v1(851.34,2071.34) 885.04,2105.04 R87.2@940,2105.04 ; R87.2@923.41,2094.55 ccw(c898.08,2069.23) 898.08,2105.04 ccw(c898.08,2140.85) R87.2@923.41,2115.53
NetR88_2: R88.2 U28.7 | length 188.7
  Component Side w20: R88.2@578.03,1953.86 627.52,1953.86 645,1971.34 U28.7@710.79,1971.34 ; R88.2@587.11,1944.78 cw(c609.02,1922.87) 609.02,1953.86 cw(c609.02,1984.84) R88.2@587.11,1962.93
NetR89_2: R89.2 U28.13 | length 549.6
  Component Side w16: R89.2@578.03,2313.86 806.14,2313.86 830,2290 830,2160 868.66,2121.34 U28.13@915.51,2121.34 ; R89.2@588.52,2303.37 cw(c613.85,2278.04) 613.85,2313.86 cw(c613.85,2349.67) R89.2@588.52,2324.35
NetR90_2: R90.2 U30.2 | length 158.2
  Component Side w20: U30.2@1295.35,2166.34 1378.62,2166.34 R90.2@1394.96,2150 ; 1339.26,2166.34 cw(c1339.26,2100.4) R90.2@1385.89,2147.03
NetR91_2: R91.2 U28.8 | length 443.4
  Component Side w16: R91.2@578.03,2133.86 611.14,2133.86 ; R91.2@589.1,2123.98 cw(c611.14,2104.33) 611.14,2133.86 ; R91.2@589.1,2143.73 ccw(c611.14,2163.39) 611.14,2133.86 ; 631.1,2113.9 cw(c607.2,2090) v1@641,2090 ; v1(645,2090) 645,2100 611.14,2133.86 ; v1(655,1920) 656.34,1921.34 U28.8@710.79,1921.34 ; v1@657.83,1917.17 cw(c667.89,1907.11) 667.89,1921.34
  Solder Side w16: v1@642.17,2087.17 cw(c611.2,2056.2) 655,2056.2 ; v1(645,2090) 655,2080 v1(655,1920)
NetR92_1: R92.1 U30.3 | length 236.1
  Component Side w20: U30.3@1295.35,2216.34 1371.3,2216.34 ; U30.3@1321.58,2216.34 ccw(c1321.58,2307.27) R92.1@1385.89,2242.97 ; 1369.87,2216.34 ccw(c1369.87,2258.99) R92.1@1400.03,2228.83 ; R92.1@1391.43,2221.56 ccw(c1385.8,2201.84) 1371.3,2216.34 ; R92.1@1394.96,2240 1371.3,2216.34
NetR94_2: R94.2 U31.14 | length 389.8
  Component Side w16: R94.2@1461.88,3716.26 cw(c1439.17,3699.83) 1458.99,3680 ; 1472.26,3693.27 ccw(c1454.57,3710.97) R94.2@1474.84,3725.64 ; 1478.99,3700 1458.99,3680 ; U31.14@1535.35,3453.86 1486.14,3453.86 1458.99,3481.01 1458.99,3680
NetR95_2: R95.2 U31.13 | length 565.1
  Component Side w16: R95.2@1281.64,3712.71 cw(c1266.96,3691.21) 1292.99,3691.21 ; 1292.99,3696.37 cw(c1318.59,3696.37) R95.2@1300.49,3714.47 ; R95.2@1292.99,3726.3 1292.99,3691.34 1332.99,3651.34 1410,3651.34 1432.99,3628.35 1432.99,3470.24 1499.37,3403.86 U31.13@1535.35,3403.86 ; 1484.13,3419.1 ccw(c1511.73,3446.71) U31.13@1511.73,3407.67
NetR96_2: R96.2 U33.2 | length 264.1
  Component Side w20: R96.2@1547.03,2659.11 ccw(c1479.49,2726.65) 1575,2726.65 ; R96.2@1550,2650.04 1575,2675.04 ; R96.2@1561.17,2644.97 ccw(c1527.78,2678.36) 1575,2678.36 ; R96.2@1568.62,2652.89 cw(c1591.85,2658.19) 1575,2675.04 ; U33.2@1575,2767.64 1575,2675.04
NetR97_1: R97.1 U33.3 | length 172
  Component Side w20: 1625,2702.51 ccw(c1686.36,2702.51) R97.1@1642.97,2659.11 ; U33.3@1625,2767.64 1625,2665.04 R97.1@1640,2650.04
NetR99_2: R99.2 U34.14 | length 426.9
  Component Side w16: 1004.54,3465.46 ccw(c1034.09,3495.02) U34.14@1034.09,3453.22 ; R99.2@1029.51,3714.47 cw(c1004.19,3689.15) 1040,3689.15 cw(c1075.81,3689.15) R99.2@1050.49,3714.47 ; R99.2@1040,3724.96 1040,3685 1000,3645 1000,3470 1020.59,3449.41 U34.14@1057.72,3449.41
NetR100_2: R100.2 U34.13 | length 489.3
  Component Side w16: R100.2@919.51,3714.47 cw(c894.19,3689.15) 930,3689.15 cw(c965.81,3689.15) R100.2@940.49,3714.47 ; R100.2@930,3724.96 930,3685 970,3645 970,3450 1020.59,3399.41 U34.13@1057.72,3399.41 ; 1004.54,3415.46 ccw(c1034.09,3445.02) U34.13@1034.09,3403.22
NetR101_2: R101.2 U36.2 | length 202.8
  Component Side w16: U36.2@1033.91,2741.9 cw(c1024.04,2732.03) 1037.99,2732.03 cw(c1051.95,2732.03) U36.2@1042.08,2741.9 ; U36.2@1037.99,2767.64 1037.99,2697.05 ; R101.2@1041.63,2658.39 ccw(c1016.46,2675.52) 1037.99,2697.05 ; 1051.66,2683.38 cw(c1032.73,2664.45) R101.2@1054.86,2649.38 ; 1060,2675.04 1037.99,2697.05
NetR102_1: R102.1 U36.3 | length 316.5
  Component Side w16: U36.3@1087.99,2767.64 1087.99,2737.05 1150,2675.04 ; U36.3@1093.77,2745.98 ccw(c1129.3,2745.98) 1104.18,2720.86 ; 1096.58,2728.46 cw(c1018.16,2650.04) R102.1@1129.06,2650.04 ; 1123.89,2701.15 cw(c1072.79,2650.04) R102.1@1145.06,2650.04 ; 1151.21,2673.83 cw(c1127.42,2650.04) R102.1@1161.06,2650.04
NetR105_2: R105.2 U38.2 | length 411
  Component Side w16: U38.2@860,2686.93 U38.2@871.89,2675.04 ; U38.2@895.22,2661.55 cw(c927.79,2628.98) 927.79,2675.04 ; U38.2@895.22,2691.99 ccw(c936.15,2732.93) 936.15,2675.04 ; U38.2@900.45,2660.21 cw(c917.05,2654.75) 921.58,2671.63 ; U38.2@908.85,2675.04 cw(c908.85,2598.38) R105.2@964.75,2650.84 ; 945.8,2675.04 cw(c945.8,2633.06) R105.2@976.42,2661.79 ; R105.2@953.08,2639.89 ccw(c871.89,2563.71) U38.2@871.89,2675.04 ; 970,2675.04 U38.2@871.89,2675.04